# Altium PCB novena_evt1_a.PcbDoc (part 9 of 12) (continued)
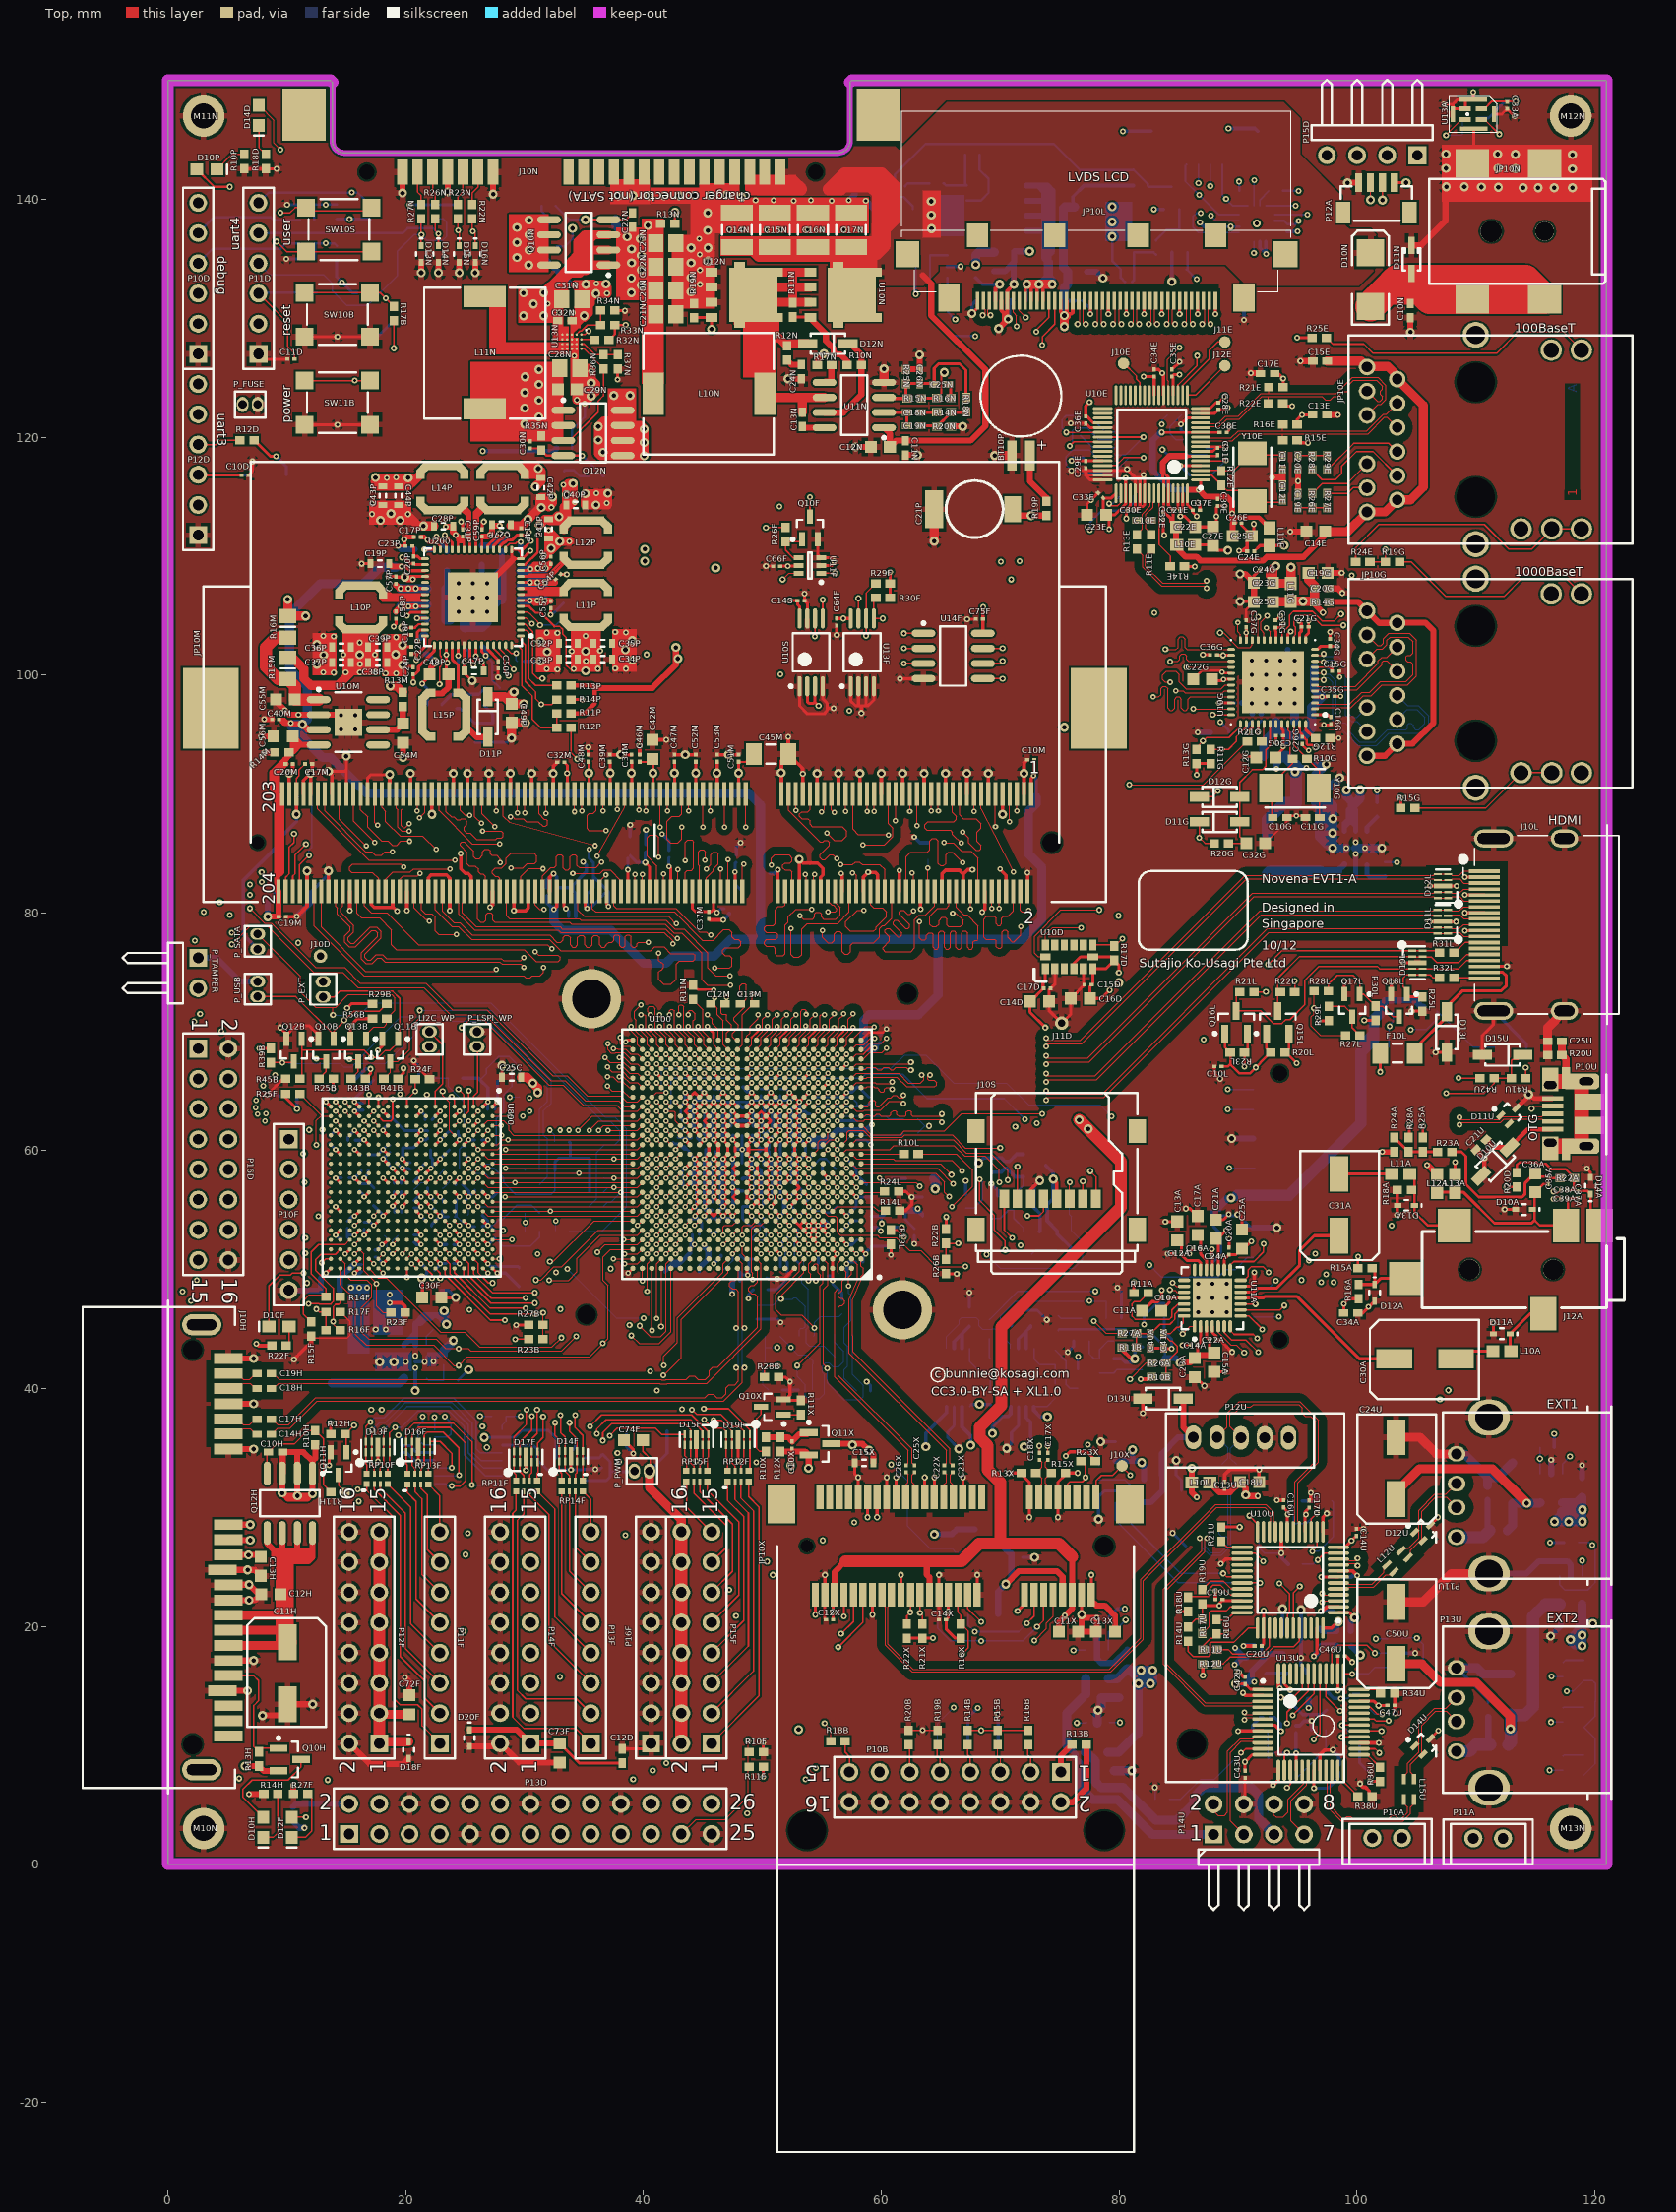
[diagram p0: Top view]
## Nets (pads, with @x,y where several pads share a name; then routed paths per layer and width w, separated by ;. In a path a pad name is that pad's centre, name@x,y a point inside that pad or via, vN(x,y) a via of type N, cw(c..) or ccw(c..) an arc to the next point about the centre after c; other vN are vias at no path point) (continued)
NetR16G_1: R16G.1 R17G.2 U11G.1 | length 2.4
  Bot w0.381: U11G.1@100.85,84.05 100.85,83.25 R16G.1@101.1,83 102.325,83 R17G.2@102.375,83.05
NetR16U_1: R16U.1 U10U.36 | length 2.4
  Top w0.127: R16U.1@88.2,20.55 88.225,20.525 89.025,20.525 89.65,21.15 U10U.36@90.35,21.15
NetR17E_2: R17E.2 U10E.5 | length 4
  Top w0.127: U10E.5@86.875,118.004 88.95,118.004 v1(89,118.054)
  Bot w0.127: R17E.2@87.75,116.804 v1(89,118.054) v1@89,118.125
NetR17N_2: R17N.2 R19N.2 U12N.4 | length 14
  Top w0.254: R19N.2@44.25,130.05 45.71,130.05 U12N.4@45.73,130.07 45.73,129.08 v3(45.725,129.075)
  Top w0.508: R17N.2@54.625,126.05 54.625,126.475 v3(55.175,127.025)
  L3 w0.254: v3(45.725,129.075) 53.125,129.075 v3(55.175,127.025)
NetR17U_1: R17U.1 U10U.35 | length 4.9
  Top w0.127: R17U.1@87,19.4 87.6,20 87.6,21.125 87.8,21.325 89.05,21.325 89.375,21.65 U10U.35@90.35,21.65
NetR18E_1: R18E.1 U11E.4 | length 2.1
  Bot w0.127: R18E.1@77.95,121.35 78.875,120.425 U11E.4@79.7,120.425
NetR18E_2: R18E.2 U10E.40 U11E.3 | length 8.4
  Top w0.127: v1(75.85,119.25) 76.204,119.604 U10E.40@78.625,119.604
  Bot w0.127: v1(75.85,119.25) 76.1,119.5 76.1,120.575 76.275,120.75 77.35,120.75 R18E.2@77.95,120.15 78.325,119.775 U11E.3@79.7,119.775
NetR18F_1: R18F.1 R19F.2 U10F.1 | length 2.8
  Bot w0.127: U10F.1@21.75,40.85 21.9,40.7 R19F.2@23.2,40.7 R18F.1@23.2,42
NetR18G_1: R18G.1 U11G.6 | length 1.6
  Bot w0.381: U11G.6@100.85,86.85 100.85,87.2 R18G.1@101.7,88.05
NetR18P_2: R18P.2 U200.5 | length 4.3
  Top w0.127: U200.5@29.675,105.275 30.225,105.275 30.487,105.113 31.025,104.575 v1(31.3,104.2)
  Bot w0.127: v1(31.3,104.2) 32.625,104.2 R18P.2@33.275,104.85
NetR18U_1: R18U.1 U10U.33 | length 5.6
  Top w0.127: R18U.1@85.8,22.45 85.85,22.5 87.5,22.5 87.625,22.625 87.625,23.175 87.925,23.475 88.525,23.475 89.35,22.65 U10U.33@90.35,22.65
NetR19D_2: R19D.2 U11D.3 | length 1.6
  Bot w0.152: U11D.3@91.85,139.45 91.85,139.95 R19D.2@92.6,140.7
NetR19E_2: R19E.2 U11E.6 | length 3.3
  Bot w0.127: R19E.2@85.25,121.85 84.275,120.875 84.275,120.3 84.8,119.775 U11E.6@85.4,119.775
NetR19U_1: R19U.1 U10U.32 | length 3.9
  Top w0.127: R19U.1@87,23.1 87.675,23.775 88.8,23.775 89.425,23.15 U10U.32@90.35,23.15
NetR20E_1: R20E.1 U11E.2 | length 3.4
  Bot w0.127: R20E.1@76.75,120.15 77.775,119.125 U11E.2@79.7,119.125
NetR20E_2: R20E.2 U10E.38 | length 6.2
  Top w0.127: v1(75.575,120.4) 75.85,120.4 75.854,120.404 U10E.38@78.625,120.404
  Bot w0.127: v1(75.575,120.4) 75.2,120.775 75.2,121.45 75.55,121.8 76.325,121.8 76.325,121.775 R20E.2@76.75,121.35
NetR20F_1: R20F.1 U10F.6 | length 1.5
  Bot w0.127: U10F.6@21.75,43.65 21.75,44.4 R20F.1@22.3,44.95
NetR21U_1: R21U.1 U10U.25 | length 2
  Top w0.127: R21U.1@88.6,27.15 89.1,26.65 U10U.25@90.35,26.65
NetR22B_1: R22B.1 R26B.2 U100.H6 | length 17.6
  Top w0.102: U100.H6@54.3,55.7 v2(54.7,55.3)
  Top w0.127: R26B.2@65.45,50.85 R22B.1@65.45,52.2 v1(66.475,52.2) v1@66.5,52.225
  L3 w0.127: v2(54.7,55.3) 55.9,54.1 57.325,54.1 57.55,53.875 57.55,53.45 57.85,53.15 58.625,53.15 59,52.775 60.4,52.775 60.825,53.2 60.825,53.65 61.275,54.1 63.575,54.1 65.475,52.2 v1(66.475,52.2)
NetR22U_2: R22U.2 U10U.11 | length 3.4
  Top w0.127: v1(96.7,25.575) 97.275,26.15 U10U.11@98.45,26.15
  Bot w0.127: R22U.2@95.425,25.225 96.35,25.225 v1(96.7,25.575)
NetR23A_2: R23A.2 R24A.1 R25A.1 R28A.1 | length 4.1
  Top w0.254: R24A.1@103.15,61.1 R28A.1@104.35,59.9 R23A.2@106.8,59.9
NetR24U_1: R24U.1 U10U.24 | length 2.8
  Top w0.127: v1(90.95,29.3) 91.65,28.6 U10U.24@91.65,27.95
  Bot w0.127: v1(90.95,29.3) 91.725,28.525 R24U.1@91.775,28.525
NetR29U_2: R29U.2 U13U.39 | length 7.1
  Top w0.127: U13U.39@97.9,16 97.9,17.9 98.4,18.4 100.875,18.4 v1(101.525,17.75)
  Bot w0.127: v1(101.525,17.75) R29U.2@102.6,17.75
NetR30U_1: R30U.1 U13U.44 | length 14.4
  Top w0.127: v1(93.625,14.025) 94.65,14.025 95.4,14.775 U13U.44@95.4,16
  L7 w0.127: v1(93.625,14.025) 95.7,14.025 100.625,18.95 v1(101.6,18.95)
  Bot w0.127: v1@101.575,18.925 v1(101.6,18.95) R30U.1@102.6,18.95
NetR32N_2: R32N.2 U13N.A2 | length 1.1
  Top w0.127: U13N.A2@34.775,128.225 35.85,128.225 R32N.2@35.9,128.175
NetR32U_1: R32U.1 U13U.37 | length 3.9
  Top w0.127: U13U.37@98.9,16 v1(99.6,16)
  Bot w0.127: v1(99.6,16) 100.975,16 101.525,16.55 R32U.1@102.6,16.55
NetR33N_1: R33N.1 R34N.1 U13N.B1 | length 3.6
  Top w0.127: U13N.B1@34.375,128.625 34.375,128.65 34.65,128.925 34.775,128.925 35.275,129.425 R33N.1@36.4,129.425 R34N.1@36.4,130.65
NetR34U_1: R34U.1 U13U.36 | length 1.9
  Top w0.127: U13U.36@100.2,14.7 101.65,14.7 R34U.1@102,14.35
NetR35U_1: R35U.1 U13U.33 | length 4.3
  Top w0.127: U13U.33@100.2,13.2 101.15,13.2 101.75,12.6 v1(102.125,12.6)
  Bot w0.127: R35U.1@100.25,13.15 100.975,13.15 101.525,12.6 v1(102.125,12.6)
NetR36N_2: R36N.2 R37N.2 U13N.A3 | length 3.4
  Top w0.127: U13N.A3@34.775,127.825 35.025,127.825 35.925,126.925 R36N.2@36.625,126.925 R37N.2@37.825,126.925
NetR36U_1: R36U.1 U13U.25 | length 2.2
  Top w0.127: U13U.25@100.2,9.2 100.9,9.2 R36U.1@101.95,8.15
NetR37U_2: R37U.2 U13U.11 | length 9.6
  Top w0.127: v1(90.25,9.375) 90.325,9.375 90.65,9.7 U13U.11@92.1,9.7
  Bot w0.127: R37U.2@84.225,5.45 85.175,5.45 86.825,7.1 87.975,7.1 v1(90.25,9.375)
NetR38U_1: R38U.1 U13U.24 | length 2.7
  Top w0.127: U13U.24@98.9,7.9 98.9,6.9 R38U.1@100.1,5.7
NetU10E_39: U10E.39 U11E.1 | length 6.4
  Top w0.127: U10E.39@78.625,120.004 v1(82.046,120.004) v1@82.05,120
  Bot w0.127: U11E.1@79.7,118.475 80.517,118.475 v1(82.046,120.004)
NVCC_PLL_OUT: C80C.1 C81C.1 U100.E8 | length 3.8
  Top w0.119: U100.E8@52.7,53.3 v2(53.1,52.9)
  Bot w0.127: 52.7,50.9 52.7,52.5
  Bot w0.203: 52.7,50.9 C80C.1@53.1,50.5 ; 52.7,52.5 v2(53.1,52.9) 52.953,53.047 52.953,53.357 C81C.1@52.93,53.38
OTG_ID: D15U.1 R41U.1 R42U.1 U100.W23 | length 96.3
  Top w0.102: U100.W23@40.7,64.5 41.1,64.9 v2(41.9,64.9)
  Top w0.127: v1(107.525,64.825) 110.725,64.825 111.55,65.65 R42U.1@111.55,66.1 R41U.1@113,66.1 113,67.575 113.1,67.675 113.575,67.675 D15U.1@113.95,68.05
  L4 w0.102: v1(79.375,62.875) 82.725,62.875 85.8,59.8 93.15,59.8 100.55,52.4 105.15,52.4 106.9,54.15 106.9,64.2 v1(107.525,64.825)
  Bot w0.102: v2(41.9,64.9) 41.519,65.281 41.519,66.694 41.725,66.9 60.825,66.9 61.95,68.025 63.75,68.025 66.1,65.675 70.55,65.675 72.378,63.847 78.403,63.847 v1(79.375,62.875)
OTG_VBUS: C21U.1 D10U.1 P10U.1 | length 6.5
  Top w0.381: C21U.1@110.874,60.924 111.521,60.277 D10U.1@112.852,60.277 114.375,61.8 P10U.1@116.475,61.8
P0.75V_DDR3_VTT: C18M.1 C19M.1 C20M.1 C56M.1 JP10M.203 JP10M.204 R14M.1 U10M.4 | length 33.9
  Top w0.381: 9.175,82.975 9.6,83.4 JP10M.203@9.6,90
  Top w0.508: v3(8.4,79.675) C19M.1@9.325,79.675 9.3,79.7 JP10M.204@9.3,81.8 ; JP10M.204@9.175,81.925 9.175,82.975 9.175,90.075 ; R14M.1@10.2,93.475 10.2,93.225 9.85,92.875 ; 10.55,94.225 10.625,94.15 11.1,94.15 10.5,93.55 C56M.1@10.5,94.825 11.205,94.12 U10M.4@12.675,94.12 ; 8.775,90.95 9.175,90.55 ; 8.775,90.95 8.775,91.8 9.85,92.875 ; 8.775,90.95 8.775,90.475 9.175,90.075 ; 9.175,90.075 9.175,90.55 ; 9.175,90.55 9.175,91.8 C20M.1@9.9,92.525 9.85,92.575 9.85,92.875
  Bot w0.3: C18M.1@8.875,81.8 C18M.1@9.1,81.575
  Bot w0.508: v3(8.4,79.675) 8.4,80.875 C18M.1@9.1,81.575
P0.75V_REFDDR: C10M.1 C11M.1 C14M.1 C15M.1 C16M.1 C19P.1 C40M.1 JP10M.1 JP10M.126 U10M.3 U100.AC2 U200.31 | length 169.8
  Top w0.102: U100.AC2@57.5,67.7 57.9,68.1 58.495,68.1
  Top w0.152: 58.495,68.1 59.023,68.628 v2(59.432,68.628)
  Top w0.254: C40M.1@9.35,96.275 9.825,96.275 10.15,95.95 v1(10.325,95.95) 10.375,95.95 11.45,95.95 12.01,95.39 U10M.3@12.675,95.39
  Top w0.305: v1(19.65,109.125) 20.025,109.125 20.375,108.775 U200.31@21.625,108.775 ; v2(32.464,80.275) 32.417,80.275 32.702,80.56 JP10M.126@32.702,81.814 ; JP10M.1@72.602,90.014 72.602,91.3 v2(72.829,91.528) 72.875,91.574 C10M.1@72.875,92.875
  Top w0.508: 9.65,96.125 9.825,95.95 v1@10.15,95.95 ; v1@10.375,95.95 10.475,95.85 v3(11.3,95.85) 11.76,95.39 U10M.3@12.01,95.39 ; C19P.1@18.625,109.35 18.85,109.125 v1(19.65,109.125)
  Bot w0.305: C14M.1@31.884,81.452 31.884,80.855 v2(32.464,80.275) 32.722,80.533 C15M.1@32.722,81.477 ; v2(59.432,68.628) 59.865,69.061 C16M.1@59.951,69.061 ; v2(72.829,91.528) 73.024,91.332 73.024,89.724
  Bot w0.508: 19.15,109.05 19.575,109.05 v1(19.65,109.125) 19.225,109.125 19.15,109.05
  Bot w0.762: 19.15,109.05 17.825,109.05 16.45,107.675 12.8,107.675 10.225,105.1 10.225,100.475 11.712,98.988 11.712,96.262 v3(11.3,95.85) ; v2(32.464,80.275) 32.464,79.263 33.205,78.523 37.269,78.523 40.037,75.754 41.866,75.754 42.476,76.364 45.93,76.364 47.327,77.761 49.842,77.761 ; v2(59.432,68.628) 58.761,68.628 58.503,68.886 58.503,70.945 58.994,71.436 63.126,71.436 64.79,73.1 64.79,77.761 ; 73.024,89.724 73.024,89.165 72.372,88.513 72.372,84.974 73.489,83.857 73.489,79.412 71.838,77.761 64.79,77.761 ; 11.3,94.775 13.025,93.05 13.7,93.05 16.7,90.05 48.85,90.05 49.842,89.058 49.842,77.761 ; 11.3,94.775 v3(11.3,95.85) ; 11.3,94.775 10.4,95.675 10.575,95.85 v3(11.3,95.85) ; 49.842,77.761 64.79,77.761
P1.2V: C51F.1 C52F.1 C53F.1 C54F.1 C55F.1 C56F.1 C57F.1 C58F.1 C59F.1 C60F.2 C61F.1 C62F.2 C63F.2 L10F.2 R19F.1 U800.G7 U800.H9 U800.H11 U800.J8 U800.J10 U800.K9 U800.K11 U800.L8 U800.L10 U800.M7 U800.M12 | length 32.8
  Top w0.254: v2(18.1,54.5) U800.M12@18.5,54.9 ; v2(18.1,59.3) U800.M7@18.5,58.9 ; v2(18.9,56.1) U800.L10@19.3,56.5 ; v2(18.9,58.5) U800.L8@19.3,58.1 ; v2(19.7,55.3) U800.K11@20.1,55.7 ; v2(19.7,57.7) U800.K9@20.1,57.3 ; U800.J10@20.9,56.5 v2(21.3,56.1) ; U800.J8@20.9,58.1 v2(21.3,58.5) ; U800.H11@21.7,55.7 v2(22.1,55.3) ; U800.H9@21.7,57.3 v2(22.1,57.7) ; U800.G7@22.5,58.9 v2(22.9,59.3)
  L4 w0.254: v1(16.75,48.475) 16.75,41.925 17.8,40.875 24.6,40.875 v3(25.3,41.575)
  Bot w0.102: C56F.1@20.675,56.8 20.75,56.8 21.269,57.319 21.719,57.319 v2(22.1,57.7)
  Bot w0.254: C60F.2@17.3,55.375 18.1,54.575 v2(18.1,54.5) ; C52F.1@18.65,59.85 v2(18.1,59.3) 18.275,59.3 C53F.1@18.575,59 18.575,58.825 v2(18.9,58.5) ; v2(18.9,56.1) 19.025,56.225 C58F.1@19.025,56.55 ; C57F.1@19.625,57.25 19.625,57.625 v2(19.7,57.7) ; C55F.1@19.65,54.8 19.65,55.25 v2(19.7,55.3) ; C59F.1@20.675,55.8 20.975,56.1 v2(21.3,56.1) ; v2(21.3,58.5) 21.3,58.625 C51F.1@21.613,58.938 ; v2(22.1,55.3) 22.15,55.3 C54F.1@22.5,54.95 ; v2(22.9,59.3) C61F.1@23.675,60.075 ; R19F.1@24.4,40.7 25.275,41.575 v3(25.3,41.575)
  other v1: 15.4,48.475 16.075,48.475
P1.2V_VGEN1: C10P.1 U200.16 | length 2.4
  Top w0.127: U200.16@28.4,110.55 28.4,110.725 28.725,111.05 29.225,111.05 29.35,111.175 v1(29.675,111.175)
  Bot w0.508: C10P.1@29.675,110.4 v1(29.675,111.175)
P1.5V_DDR_SW3: C20P.1 C21M.1 C22M.1 C23M.1 C24M.1 C25M.1 C26M.1 C27M.1 C28M.1 C29M.1 C30M.1 C31M.1 C32M.1 C33M.1 C34M.1 C35M.1 C36M.1 C36P.1 C37M.1 C37P.1 C38M.1 C38P.1 C39M.1 C39P.1 C41M.1 C42M.1 C43M.1 C44M.1 C45M.1 C46M.1 C47M.1 C48M.1 C49M.1 C50M.1 C51M.1 C52M.1 C53M.1 JP10M.75 JP10M.76 JP10M.81 JP10M.82 JP10M.87 JP10M.88 JP10M.93 JP10M.94 JP10M.99 JP10M.100 JP10M.105 JP10M.106 JP10M.111 JP10M.112 JP10M.117 JP10M.118 JP10M.123 JP10M.124 L10P.2 R15M.1 U100.R18 U100.T18 U100.U18 U100.V9 U100.V10 U100.V11 U100.V12 U100.V13 U100.V14 U100.V15 U100.V16 U100.V17 U100.V18 U200.30 U200.38 | length 127.3
  Top w0.178: C32M.1@33.35,92.65 33.6,92.4 ; C46M.1@39.675,92.7 40.6,92.7 C42M.1@40.8,92.9 ; v2(44.3,61.7) U100.R18@44.7,61.3 ; v2(44.3,62.5) U100.T18@44.7,62.1 ; v2(44.3,63.3) U100.U18@44.7,62.9 ; C51M.1@48,92.7 48.625,92.7 C45M.1@49.275,93.35
  Top w0.254: v1(19.701,109.88) 19.87,109.88 20.375,109.375 C20P.1@20.675,109.375 20.775,109.275 U200.30@21.625,109.275 ; v1(20.1,104.975) 20.4,105.275 U200.38@21.625,105.275 ; JP10M.124@33.3,81.8 33.3,80.525 v1(33.475,80.35) ; JP10M.123@33.6,90 33.6,92.4 ; JP10M.118@35.1,81.8 35.1,80.525 v2(35.25,80.375) ; JP10M.117@35.4,90 C48M.1@35.4,92.65 ; JP10M.112@36.9,81.8 36.9,80.675 v2(37.05,80.525) ; JP10M.111@37.2,90 C39M.1@37.2,92.65 ; JP10M.106@38.7,81.8 v1(38.7,83.625) ; JP10M.105@39,90 C34M.1@39,92.7 ; v1(40.15,84.225) 40.5,83.875 JP10M.100@40.5,81.8 ; JP10M.99@40.8,90 C42M.1@40.8,92.9 ; v2(42.125,83.9) 42.3,83.725 JP10M.94@42.3,81.8 ; JP10M.93@42.6,90 C47M.1@42.6,92.7 ; JP10M.88@44.1,81.8 44.1,80.35 44.35,80.1 45.7,80.1 45.9,80.3 ; v2(44.3,64.1) U100.V18@44.7,63.7 ; JP10M.87@44.4,90 C52M.1@44.4,92.7 ; U100.R18@44.7,61.3 v2(44.3,61.7) U100.T18@44.7,62.1 v2(44.3,62.5) U100.U18@44.7,62.9 v2(44.3,63.3) U100.V18@44.7,63.7 ; JP10M.82@45.9,81.8 45.9,80.3 ; v1(46.175,80.025) 45.9,80.3 ; JP10M.81@46.2,90 C53M.1@46.2,92.7 ; JP10M.76@47.7,81.8 v2(47.7,83.45) ; U100.V14@47.9,63.7 v2(47.5,64.1) U100.V15@47.1,63.7 v2(46.7,64.1) U100.V16@46.3,63.7 v2(45.9,64.1) U100.V17@45.5,63.7 v2(45.1,64.1) U100.V18@44.7,63.7 ; JP10M.75@48,90 C51M.1@48,92.7 ; U100.V13@48.7,63.7 v2(49.1,64.1) U100.V12@49.5,63.7 v2(49.9,64.1) U100.V11@50.3,63.7 v2(50.7,64.1) U100.V10@51.1,63.7 v2(51.5,64.1) U100.V9@51.9,63.7 v2(52.3,64.1)
  Top w0.762: R15M.1@10.5,101.45 11.438,100.513 11.438,99.712 12.025,99.125 14.275,99.125 15.275,100.125
  L3 w0.203: v1(16.15,100.225) 16.55,100.225 16.85,100.525 16.85,103 18.825,104.975 v1(20.1,104.975)
  L3 w0.508: v3(16.125,101.7) v1(16.125,102.725) 16.125,107.425 18.58,109.88 v1(19.701,109.88)
  Bot w0.178: v2(44.3,61.7) v2(44.3,62.5) ; v2(49.1,64.1) 49.1,64.075 49.55,63.625 49.55,63.75 v2(49.9,64.1)
  Bot w0.203: C26M.1@43.77,63.298 44.298,63.298 v2(44.3,63.3) ; v2(44.3,64.1) 44.302,64.102 44.302,64.256 C25M.1@44.623,64.577 44.623,64.261 44.651,64.233 ; v2(45.9,64.1) v2(45.9,64.1) C31M.1@45.902,64.63 ; v2(47.5,64.1) v2(49.1,64.1) v2@49.1,64.141 ; v2(49.9,64.1) C28M.1@49.899,64.63 ; C23M.1@51.499,64.63 v2(51.5,64.1) v2(51.5,64.1)
  Bot w0.254: v1(33.475,80.35) 33.7,80.125 C36M.1@33.7,79.675 ; v2(35.425,85.325) 35.425,84.575 35.775,84.225 C50M.1@35.775,83.425 35.775,83.05 ; v2(37.05,80.525) 37.05,81.775 C44M.1@36.975,81.85 ; v1(38.7,83.625) C41M.1@38.7,84.625 ; C41M.1@38.875,84.8 39.45,84.225 v1(40.15,84.225) 40.15,85.1 C49M.1@40.2,85.15 ; v2(42.125,83.9) 42.125,84.625 C38M.1@42.15,84.65 ; v2(44.3,61.7) 44.167,61.833 44.167,62.367 v2(44.3,62.5) 44.167,62.633 44.167,63.167 v2(44.3,63.3) 44.167,63.433 44.167,63.967 v2(44.3,64.1) 44.433,64.233 44.651,64.233 44.967,64.233 v2(45.1,64.1) 45.233,64.233 45.767,64.233 v2(45.9,64.1) 46.033,64.233 46.567,64.233 v2(46.7,64.1) v2(47.5,64.1) 47.817,64.1 48.346,63.571 48.875,64.1 v2(49.1,64.1) 49.233,64.233 49.767,64.233 v2(49.9,64.1) 50.033,64.233 50.3,64.335 50.465,64.335 v2(50.7,64.1) 50.833,64.233 51.367,64.233 v2(51.5,64.1) 51.633,64.233 52.167,64.233 v2(52.3,64.1) ; v1(46.175,80.025) 46.512,80.362 C35M.1@46.788,80.362 ; C33M.1@47.8,84.25 47.7,84.15 v2(47.7,83.45) 47.7,82.425 C43M.1@48.35,81.775 ; C22M.1@52.806,64.597 v2@52.309,64.1 ; 35.775,83.05 C44M.1@36.975,81.85 ; 35.775,83.05 35.775,82.1 35.25,81.575 v2(35.25,80.375) 35.5,80.375 C44M.1@36.975,81.85 ; v2(52.3,64.1) v2@52.309,64.1 ; v2(52.3,64.1) v2@52.309,64.1
  other v1: 33.575,91.725 14.95,100.225 17.425,100.225 16.15,100.925 14.775,101.7 17.425,101.7
  other v3: 35.4,91.75 37.2,91.75 38.975,91.75 40.8,91.75 42.6,91.75 44.4,91.75 46.175,91.75 48,91.75
P1.5V_VGEN2: C11P.1 C11X.1 C12X.1 JP10X.6 JP10X.28 JP10X.48 U200.18 | length 181.5
  Top w0.254: U200.18@27.4,110.55 27.4,110.874 27.984,111.458 28.105,111.458 28.422,111.775 28.625,111.775 v1@28.625,111.8 ; C12X.1@55.95,20.55 55.95,22.545 JP10X.48@56.055,22.65
  Top w0.508: JP10X.48@56.055,22.65 56.055,24.555 56.975,25.475 ; 63.825,25.475 63.825,24.4 63.8,24.375 64.055,24.12 JP10X.28@64.055,22.65 ; C11X.1@74.95,19.55 74.95,20.375 76.055,21.48 JP10X.6@76.055,22.65 76.055,25.845
  Top w1.016: 56.975,25.475 63.825,25.475 66.75,25.475 68.225,26.95 70.025,26.95 ; 76.055,25.845 74.95,26.95 70.025,26.95 ; v3(76.637,62.587) 80.15,59.075 80.15,55.225 70.1,45.175 70.1,38.575 68.275,36.75 68.275,35.876 68.95,35.201 68.95,33.175 70.025,32.1 70.025,26.95
  L7 w1.016: v3(40.1,110.575) 40.1,107.975 44.475,103.6 44.475,102.05 47.825,98.7 57.95,98.7 59.5,97.15 71.875,97.15 77.95,91.075 77.95,82.775 77.175,82 77.175,79.775 77.85,79.1 77.85,77.875 77.075,77.1 77.075,69.65 76.3,68.875 76.3,62.925 v3(77.4,61.825)
  L8 w0.762: v1@28.675,111.7 28.675,108.125 29.788,107.012 32.438,107.012 32.45,107
  L8 w0.889: 32.45,107 33.9,107 34.875,107.975 34.875,109.225 37.025,111.375 39.85,111.375 40.1,111.125 v3(40.1,109.575)
  Bot w0.508: C11P.1@26.4,110.875 27.25,110.875 27.6,111.225 28.225,111.225 28.525,111.525 v1(28.525,111.825)
  other v1: 75.425,20.9 55.925,21.225
P1.8V_SW4: C42P.1 L13P.2 R16M.1 U200.19 | length 65.2
  Top w0.254: U200.19@26.9,110.55 26.9,110.9 27.225,111.225 27.232,111.225 27.905,111.897 v1(27.905,111.94)
  Top w0.762: v3(10.075,106.35) R16M.1@10.075,104.95 v3(11.575,104.95) v3@11.6,104.925 ; L13P.2@29.75,117.325 29.925,117.5 31,117.5 v3(31.15,117.35) 31.375,117.125 C42P.1@31.375,116.55 ; L13P.2@30,116.85 31.075,116.85 C42P.1@31.375,116.55 ; v3(30.9,115.825) 31.375,116.3 C42P.1@31.375,116.55
  L3 w0.127: v1(27.905,111.94) 27.965,111.94 29,112.975 29,116.05 30.3,117.35 v3(31.15,117.35)
  L4 w0.762: 17.625,112 17.425,112 ; 20.35,112.6 20.35,112.604 ; 17.425,112 16.8,112.625 15.475,112.625 10.075,107.225 v3(10.075,106.35) 15.725,112 17.425,112 ; 17.425,112 19.325,112 19.461,112.136 19.883,112.136 20.35,112.604 ; 20.35,112.604 20.389,112.642 20.389,112.664 21.5,113.775 ; 21.5,113.775 27.8,113.775 30.013,115.987 30.013,116.212 ; 21.5,113.775 21.8,114.075 27.4,114.075 30.013,116.687 ; 30.013,116.212 v3(31.15,117.35) 30.675,117.35 30.013,116.687 ; 30.013,116.212 30.013,116.687
P1.8V_VGEN3: C12P.1 R24A.2 U200.26 | length 143.6
  Top w0.254: v1(22.575,111.625) 23.025,111.175 23.25,111.175 23.4,111.025 U200.26@23.4,110.55
  Top w0.457: v1(102.125,59.9) R24A.2@103.15,59.9
  L4 w0.508: v1(22.575,111.625) 22.69,111.51 22.69,111.497 23.047,111.14 23.06,111.14 24.25,109.95 26.65,109.95 29.55,107.05 44.125,107.05 v3(46.075,109)
  L7 w0.762: v3(46.075,109) 47.75,110.675 54.9,110.675 56.85,112.625 71.8,112.625 74.4,110.025 84.95,110.025 86.45,111.525 91.175,111.525 92.686,110.014 101.561,110.014 105.425,106.15 105.425,86.35 104.525,85.45 104.525,79.125 105.525,78.125 105.525,65.9 102.125,62.5 v1(102.125,59.9)
  Bot w0.457: v1(22.575,111.625) 22.575,111.55 23.475,110.65 C12P.1@23.475,110.375
P1.8V_VGEN4: C13P.1 U200.28 | length 1.6
  Top w0.254: v1(21.575,110.55) U200.28@22.4,110.55
  Bot w0.508: v1(21.575,110.55) 21.6,110.575 C13P.1@22.35,110.575
P2.5V_VGEN5: C15P.1 C17G.1 C18G.1 C25C.1 C28C.1 C39G.1 C40G.1 C73C.1 C75C.1 C82C.1 D10P.1 Q11N.1 R11G.2 R13G.2 U10G.16 U10G.34 U10G.40 U100.G18 U100.N7 U100.R19 U200.39 | length 309.2
  Top w0.203: D10P.1@2.425,142.525 3.9,141.05 v1(5.2,141.05)
  Top w0.254: v1(20.95,104.775) U200.39@21.625,104.775 ; v2(43.5,61.7) U100.R19@43.9,61.3 ; v2@44.325,54.5 v2(44.325,54.512) 44.325,54.525 U100.G18@44.7,54.9 ; U100.N7@53.5,59.7 v2(53.9,59.3) ; v1(86.525,91.6) 86.525,92.525 R13G.2@86.5,92.55 R11G.2@87.7,92.55 ; v1(88.4,97.65) U10G.34@89.425,97.65 ; v1(91.7,95.2) U10G.40@91.7,95.875 ; U10G.16@94.2,102.925 94.2,103.425 v1(94.425,103.65)
  Top w0.762: C25C.1@29.7,66.175 30.2,66.175 v3(30.7,65.675) 31.1,65.275 v3(31.1,64.9)
  L3 w0.203: v1(5.2,141.05) 12.9,141.05 14.225,139.725 17.5,139.725 18.325,138.9 ; v1(20.95,104.775) 21.625,105.45 21.625,108.875 20.675,109.825 20.675,113.525 21.4,114.25 21.4,126.2 17.55,130.05 17.55,138.125 18.325,138.9 ; v3(34.025,137.55) 32.275,139.3 22.5,139.3 22.1,138.9 18.325,138.9
  L4 w0.127: 42.325,59.7 43.075,59.7 43.1,59.725
  L4 w0.254: 43.238,61.437 43.262,61.413 43.787,61.413 ; v2(43.5,61.7) 43.787,61.413 ; 45,60.2 44.975,60.225 44.525,60.675 43.787,61.413 ; 48.025,59.625 48.5,59.625 ; 48.5,59.625 48.875,60 49.05,60 ; 48.5,59.625 48.675,59.625 48.925,59.875 ; 48.925,59.875 53.325,59.875 v2(53.9,59.3) 53.9,59.6 53.5,60 ; 48.925,59.875 49.05,60 ; 49.05,60 53.5,60 ; 49.05,60 49.3,60.25 53.25,60.25 53.5,60
  L4 w0.381: 41.675,60.2 42,60.2 ; 42.325,59.7 42,60.025 42,60.2 ; 43.1,59.725 43.325,59.95 43.325,60.225 ; v2(43.5,61.7) 43.238,61.437 42.663,60.862 ; 44.525,60.675 44.337,60.487 ; 44.975,60.225 44.775,60.225 ; 46.3,53.8 46.1,53.6 45.2,53.6 45.037,53.763 45.037,53.8 ; 42,60.2 42.663,60.862 ; 42.663,60.862 42.688,60.862 43.325,60.225 ; 43.325,60.225 44.075,60.225 ; 44.025,54.55 44.2,54.725 44.475,54.725 44.537,54.663 44.537,54.3 ; 44.025,54.55 44.025,54.375 44.1,54.3 44.537,54.3 ; 44.025,54.55 44.287,54.55 v2(44.325,54.512) ; 44.075,60.225 44.775,60.225 ; 44.075,60.225 44.337,60.487 ; v2(44.325,54.512) 44.513,54.325 ; v2(44.325,54.512) 44.513,54.512 44.513,54.325 ; 44.337,60.487 44.513,60.487 44.775,60.225 ; 44.513,54.325 44.537,54.3 ; 44.537,54.3 44.875,53.962 ; 44.875,53.962 45.037,53.8 ; 44.875,53.962 45.438,53.962 45.6,53.8 45.037,53.8
  L4 w0.457: 47.775,59.825 47.975,59.625 48.006,59.625
  L4 w0.508: v3@30.675,65.7 v3@31.1,65.275 ; v3(30.7,65.675) 30.7,65.3 v3(31.1,64.9) ; 41.675,60.2 39.85,60.2 ; 43.325,59.95 43.4,60.025 47.575,60.025 ; 44.975,60.225 47.375,60.225 47.575,60.025 ; 47.775,59.825 47.575,60.025 ; v3(31.1,64.9) 32.5,63.5 ; v3(31.1,64.9) v3@31.1,65.275 ; v3@31.1,65.275 32.875,63.5 ; 32.5,63.5 32.9,63.1 37.85,63.1 38.3,62.65 38.3,61.3 39.4,60.2 39.85,60.2 ; 32.5,63.5 32.875,63.5 ; 32.875,63.5 38.175,63.5 38.625,63.05 38.625,61.425 39.85,60.2
  L4 w0.762: 45.6,53.8 46.3,53.8 46.425,53.675 47.681,53.675 48.3,54.294 48.3,59.389
  L7 w0.762: v1(20.95,104.775) 21.7,105.525 21.7,106.225 21.4,106.525 18.55,106.525 17.375,107.7 17.375,110.75 15.975,112.15 15.975,117.65 16.925,118.6 23.15,118.6 24.5,119.95 33.3,119.95 35.35,122 40.675,122 42.25,120.425 42.25,110.4 45.775,106.875 45.775,105.225 49.125,101.875 57.6,101.875 60.825,98.65 76,98.65 77.725,96.925 84.425,96.925 85.387,97.887 88.163,97.887 v1(88.4,97.65) 88.612,97.438 v1@88.612,96.137 ; v1(86.525,91.6) 87.875,91.6 89.525,93.25 89.525,95.223 v1@88.612,96.137 ; v1(88.525,96.05) v1@88.612,96.137 ; v1(91.7,95.2) 91.7,95.342 90.905,96.137 v1@88.612,96.137
  L8 w0.254: 42.925,60.875 42.925,60.828 43.478,60.275 43.525,60.275
  L8 w0.381: 42.925,60.875 42.925,61.125 v2(43.5,61.7) 44.35,60.85 ; 43.525,60.275 43.775,60.275 44.35,60.85 ; v2(44.325,54.512) 44.937,53.9 47.95,53.9 48.25,54.2 48.25,59.4 47.45,60.2 45,60.2 44.35,60.85
  Bot w0.203: Q11N.1@32.7,136.06 33.41,136.06 34.025,136.675 v3(34.025,137.55)
  Bot w0.254: C73C.1@43.75,54.2 44.013,54.2 44.131,54.319 ; C28C.1@44.7,52.95 44.7,53.25 44.9,53.45 44.9,53.937 44.544,54.294 ; v2(53.9,59.3) 54.149,59.549 54.149,59.802 ; v1(88.4,97.65) C39G.1@89.75,97.65 ; v1(88.525,96.05) 89.225,95.35 C17G.1@89.225,95.175 ; v1(91.7,95.2) 91.7,95.9 C18G.1@91.95,96.15 ; C40G.1@94.2,102.7 94.2,103.425 v1(94.425,103.65) ; 44.131,54.319 v2(44.325,54.512) 44.544,54.294 ; 44.131,54.319 44.156,54.294 44.544,54.294
  Bot w0.381: C75C.1@43.1,62.1 v2(43.5,61.7)
  Bot w0.508: v1(20.95,104.775) 21.625,104.775 C15P.1@21.8,104.6
P2.8V_VGEN6: C16P.1 Q13N.1 U200.41 | length 26.9
  Top w0.254: v1(20.975,102.875) 20.975,103.6 21.15,103.775 U200.41@21.625,103.775
  L3 w0.381: v1(20.975,102.875) 22.725,104.625 22.725,108.525 25.525,111.325 25.525,113.425 26.475,114.375 v1(26.475,118.825)
  Bot w0.381: v1(26.475,118.825) Q13N.1@32.455,118.825
  Bot w0.508: v1(20.975,102.875) 21.45,103.35 C16P.1@21.675,103.35 ; Q13N.1@32.455,118.825 Q13N.1@32.675,119.045
P3.0V_STBY: C24P.1 C71C.1 D10C.2 P_TAMPER.1 P_USB.2 R11P.2 R13P.2 R17B.2 R23B.2 R25B.2 U100.G11 U200.43 | length 301
  Top w0.127: v1(19,127.475) R17B.2@19,129.8 ; v1(29.2,44.15) R23B.2@30.35,44.15
  Top w0.178: U100.G11@50.3,54.9 v2(50.7,54.5)
  Top w0.254: v1(13.9,65.2) R25B.2@13.9,66.05 ; v1(20.625,99.375) C24P.1@20.625,100.05 20.775,100.05 21.075,100.35 21.075,100.7 22.4,102.025 U200.43@22.4,102.5
  Top w0.381: R11P.2@33.9,96.75 35.05,96.75 35.9,97.6 35.9,98.9 35.675,99.125 R13P.2@33.9,99.125
  Top w0.508: 35.9,98.9 40.75,98.9 42.725,100.875 v3(42.725,102.325)
  L3 w0.127: v1(13.9,65.2) 11.025,65.2 9.05,67.175 2.1,67.175 1.35,66.425 1.35,60.475 2.05,59.775 6.05,59.775 7.35,58.475 7.35,48.65 8.925,47.075 10.625,47.075 11.3,47.75 14.725,47.75 16.15,46.325 19.9,46.325 20.675,47.1 24.025,47.1 25.05,46.075 25.65,46.075 25.95,46.375 28.45,46.375 28.775,46.05 28.775,44.575 v1(29.2,44.15)
  L3 w0.203: v1(19,127.475) 19,120.15 14.825,115.975 14.825,103.9 15.45,103.275 15.45,99.2 16.6,98.05 20.625,98.05
  L3 w0.508: P_USB.2@7.55,74.22 9.78,74.22 13.9,70.1 v1(13.9,65.2)
  L3 w0.762: v1(20.625,99.375) 20.625,98.05 25.125,93.55 32.2,93.55 36.3,97.65 39.45,97.65 42.725,100.925 v3(42.725,102.325)
  L4 w0.127: v1(29.2,44.15) 31.925,44.15 32.425,43.65 35.7,43.65 38.7,46.65 46.15,46.65 v1(47.45,47.95)
  L7 w0.762: v3@42.8,102.325 42.8,100.675 46.575,96.9 54.075,96.9 55.35,95.625 70.825,95.625 76.35,90.1 76.35,83.85 75.025,82.525 75.025,73.525 68.3,66.8 68.3,61.775 64.525,58 v3(64.525,56.775)
  L8 w0.508: v1(47.45,47.95) 47.75,48.25 49.45,48.25 49.9,48.7 49.9,50.25 49.575,50.575 ; v2(50.7,54.5) 50.7,54.225 50.125,53.65 49.4,53.65 49.075,53.325 49.075,51.075 49.575,50.575 ; 64.175,56.425 64.175,51.6 62.375,49.8 51.95,49.8 51.175,50.575 49.575,50.575
  Bot w0.508: P_TAMPER.1@2.54,76.2 4.1,76.2 6.08,74.22 P_USB.2@7.55,74.22 ; v1(47.45,47.95) 47.45,48.975 C71C.1@47.5,49.025
  Bot w0.762: D10C.2@64.4,57.65 64.525,57.525 v3(64.525,56.775)
  other v3: 42.9,101.375
P3.0V_VDDHIGH_SW2: C14P.1 C43P.1 C44P.1 C67C.1 C68C.1 D10C.1 L14P.1 U100.H9 U100.J9 U200.17 U200.25 | length 191.4
  Top w0.254: v1(23.3,111.75) 23.9,111.15 U200.25@23.9,110.55 ; U200.17@27.9,110.55 27.9,110.8 28.187,111.087 28.237,111.087 28.252,111.102 ; 28.28,111.105 28.279,111.104 ; v1(30.35,112.025) 30.075,111.75 C14P.1@29.7,111.75 29.35,111.75 28.942,111.342 28.542,111.342 28.375,111.175 ; U100.H9@51.9,55.7 v2(52.3,56.1) U100.J9@51.9,56.5 ; 28.252,111.102 28.254,111.104 ; 28.252,111.102 28.254,111.104 ; 28.254,111.104 28.279,111.104 ; 28.254,111.104 28.325,111.175 28.375,111.175 ; 28.279,111.104 28.304,111.104 28.375,111.175
  Top w0.762: L14P.1@21.225,116.85 20.65,116.275 ; 20.65,116.275 20.375,116.55 17.725,116.55 17.425,116.25 17.45,116.225 17.45,115.925 17.5,115.875 C43P.1@18.075,115.875 C44P.1@19.4,115.875 20.25,115.875 20.65,116.275
  L7 w0.254: 22.75,112.3 22.75,115.975 22.55,115.775 22.55,112.5 22.75,112.3 ; 22.75,112.3 v1(23.3,111.75) 23.4,111.75 23.925,112.275 ; 23.925,112.275 23.925,115.975 24.125,115.775 24.125,112.475 23.925,112.275
  L7 w0.508: 26.637,117.012 29.1,114.55 29.1,114.05 ; 29.1,112.675 29.75,112.025 v1(30.35,112.025)
  L7 w0.762: 29.1,112.675 29.1,114.05 26.637,116.513 26.637,117.012 ; v2(59.875,57.7) 59.875,59.05 60.65,59.825 64.125,59.825 66.662,62.362 66.662,67.087 73.9,74.325 73.9,83.475 72.675,84.7 72.675,89.325 70.375,91.625 70.375,92.5 68.65,94.225 ; 68.65,94.25 68.65,94.225 ; 26.225,116.6 25.6,115.975 23.925,115.975 22.75,115.975 18.075,115.975 v3(17.45,116.6) v1(19.2,116.6) 26.225,116.6 ; 26.225,116.6 26.637,117.012 ; 26.637,117.012 28.325,118.7 32.625,118.7 33.825,117.5 36.85,117.5 38.3,116.05 38.3,105.95 41.325,102.925 41.325,99.7 45.325,95.7 53.45,95.7 54.925,94.225 68.65,94.225
  L8 w0.127: 53.3,56.6 53.4,56.5 53.525,56.5 54.15,56.5 54.3,56.65 54.3,57.275 54.325,57.3 ; 53.5,57.463 53.5,57.95 53.65,58.1 54.225,58.1 ; 53.525,57.325 53.55,57.3 54.175,57.3
  L8 w0.254: 53.4,56.5 53.088,56.812 ; 53.525,56.5 53.555,56.53 53.555,56.6 53.3,56.6 ; 53.638,57.325 53.525,57.325 ; 54.175,57.3 54.325,57.3 54.425,57.4 54.425,57.9 54.325,58 ; 54.225,58.1 54.325,58 ; 54.575,58.275 54.575,58.25 54.325,58 ; 53.013,56.812 53.088,56.812 ; 53.013,56.812 v2(52.3,56.1) 52.3,56.425 53.062,57.187 53.2,57.187 ; 53.013,56.812 53.3,57.1 ; 53.013,56.812 53.088,56.812 ; 53.088,56.812 53.3,56.6 ; 53.2,57.187 53.303,57.29 53.49,57.29 ; 53.2,57.187 53.388,57.187 ; 53.3,56.6 53.3,57.1 ; 53.3,57.1 53.388,57.187 ; 53.388,57.187 53.49,57.29 ; 53.49,57.29 53.525,57.325 ; 53.525,57.325 53.525,57.438 53.5,57.463 53.5,57.35 53.525,57.325
  L8 w0.381: 54.575,58.275 54.825,58.525 54.825,60.25 56.075,61.5 56.775,61.5 58.475,59.8 58.475,59.1 v2(59.875,57.7)
  Bot w0.254: v2(52.3,56.1) 52.65,56.45 C68C.1@52.75,56.55 ; v2(59.875,57.7) 60.375,57.2 C67C.1@60.375,57.15 60.875,57.65 D10C.1@62.05,57.65
  other v1: 18.4,116.575
  other v3: 20.2,116.575